# KiCad board HPPSI02.kicad_pcb
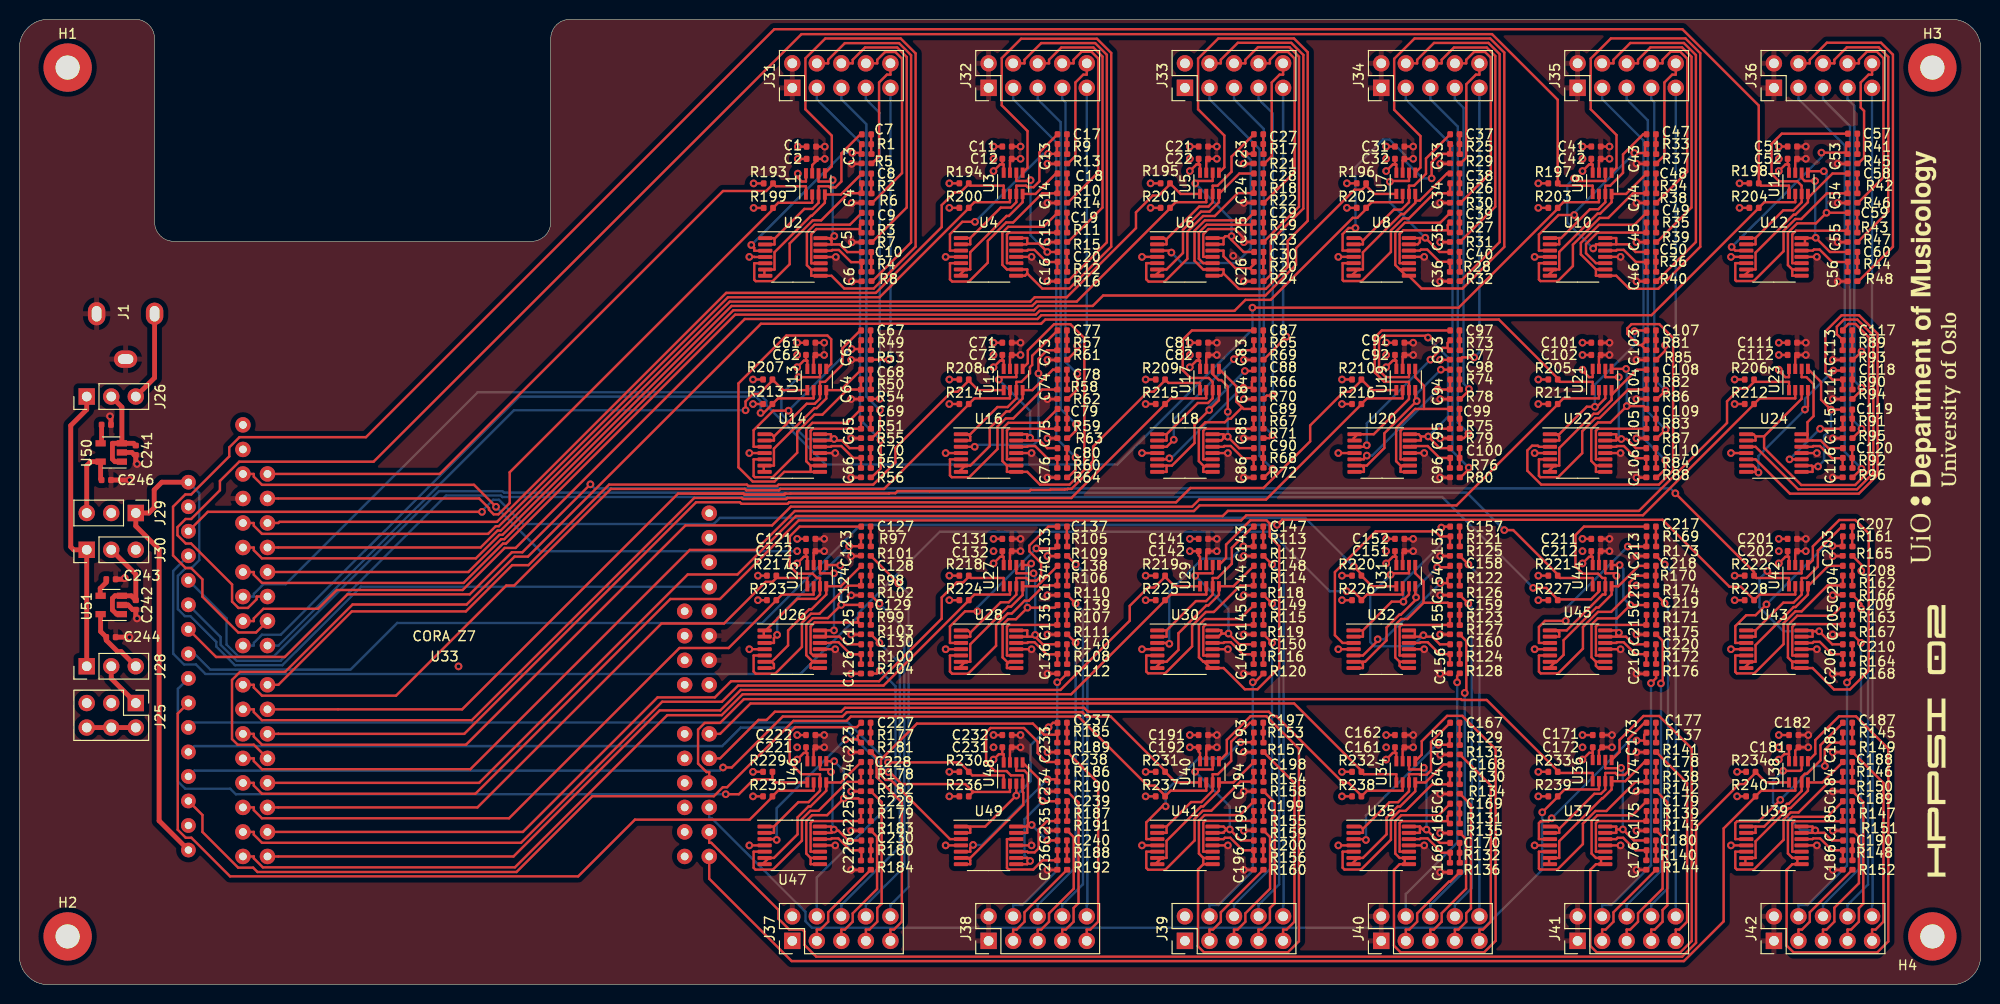
[diagram p0: board, top side]
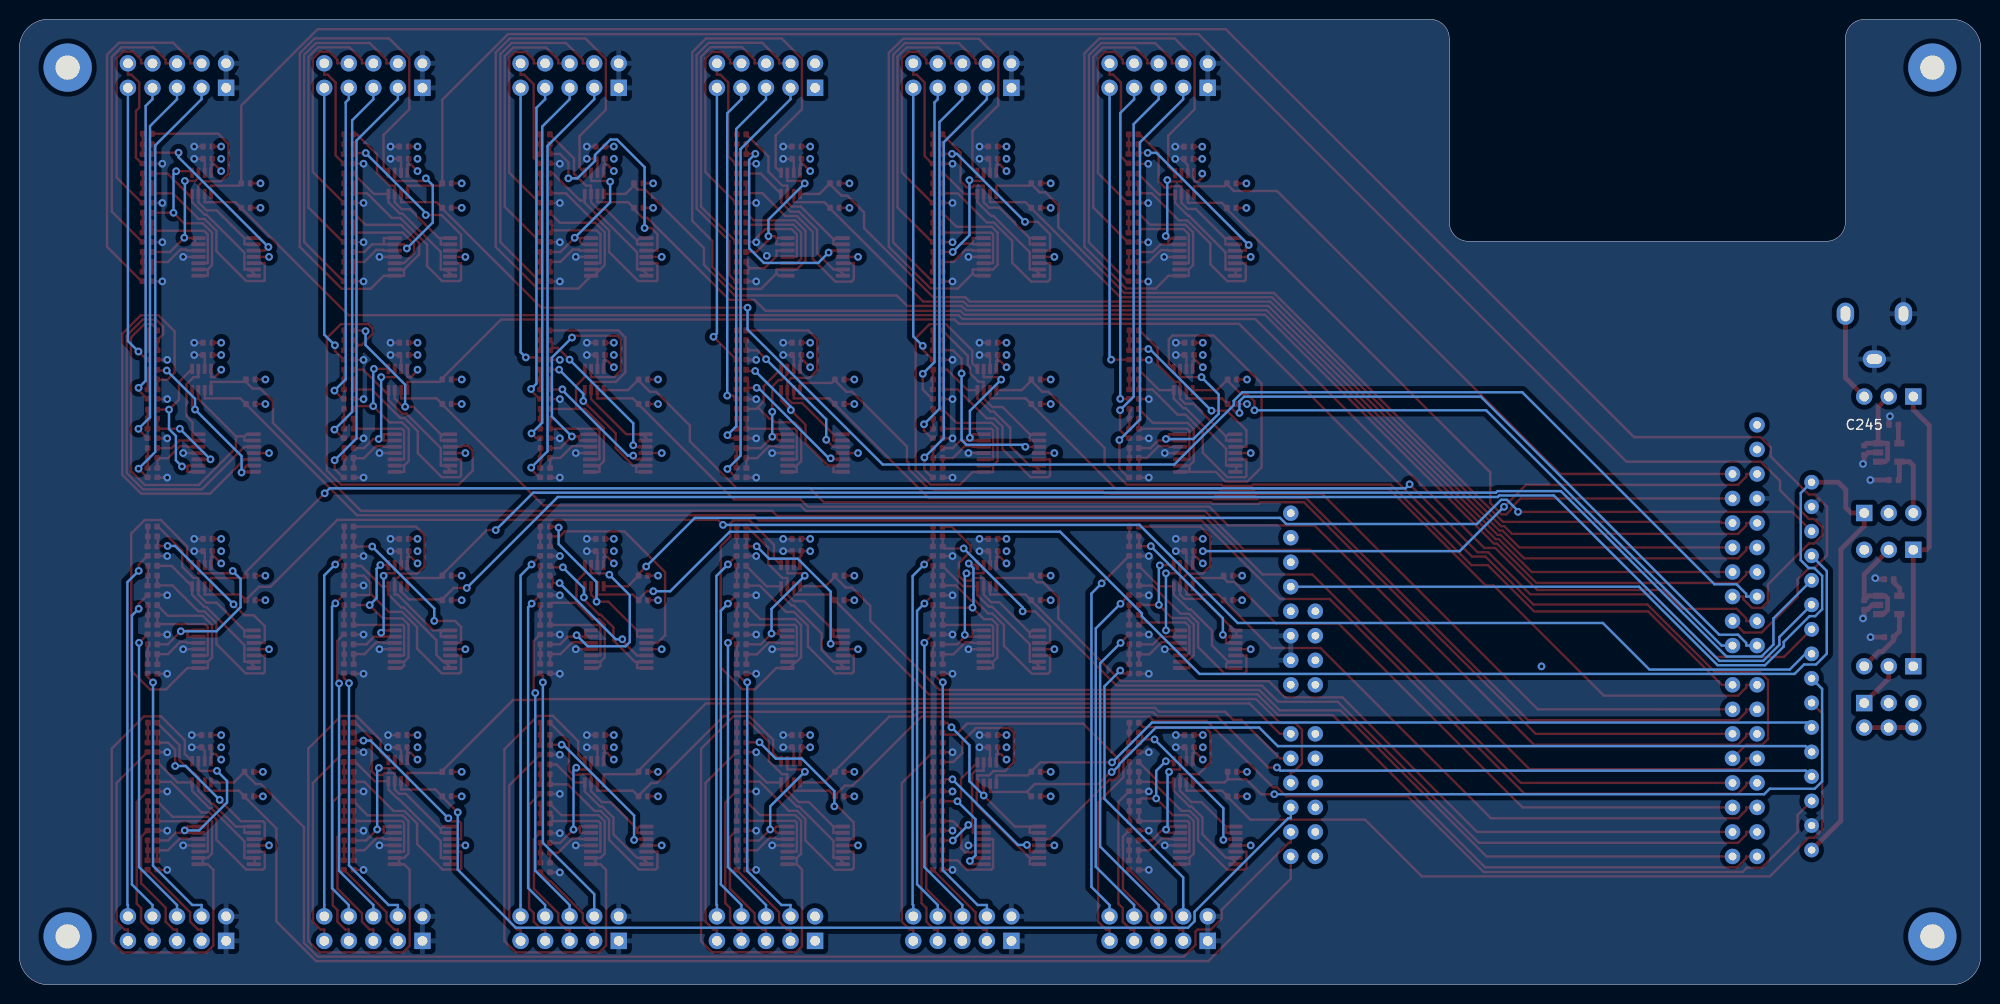
[diagram p1: board, bottom side, seen from below]

Outline 203 x 100 mm; copper layers: Top, In1.Cu (plane), In2.Cu (plane), Bottom. Coordinates in mm from the lower left corner of the outline.
Outline path: 0,97 arc(0.88,99.12) 3,100 12,100 arc(13.41,99.41) 14,98 14,79 arc(14.59,77.59) 16,77 53,77 arc(54.41,77.59) 55,79 55,98 arc(55.59,99.41) 57,100 200,100 arc(202.12,99.12) 203,97 203,3 arc(202.12,0.88) 200,0 3,0 arc(0.88,0.88) 0,3 0,97

## Placement (name value [footprint] x y rotation side)
C1  10uF  [C_0402_1005Metric]  81.97 86.81 0 top
C2  0.1uF  [C_0402_1005Metric]  81.97 85.54 0 top
C3  220pF  [C_0402_1005Metric]  87.18 85.56 270 top
C4  220pF  [C_0402_1005Metric]  87.18 81.5 270 top
C5  220pF  [C_0402_1005Metric]  87.18 77.41 270 top
C6  220pF  [C_0402_1005Metric]  87.18 73.35 270 top
C7  470pF  [C_0402_1005Metric]  87.68 88.08 0 top
C8  470pF  [C_0402_1005Metric]  87.68 84.02 0 top
C9  470pF  [C_0402_1005Metric]  87.68 79.95 0 top
C10  470pF  [C_0402_1005Metric]  87.68 75.89 0 top
C11  10uF  [C_0402_1005Metric]  102.22 86.82 0 top
C12  0.1uF  [C_0402_1005Metric]  102.22 85.55 0 top
C13  220pF  [C_0402_1005Metric]  107.43 85.55 270 top
C14  220pF  [C_0402_1005Metric]  107.43 81.49 270 top
C15  220pF  [C_0402_1005Metric]  107.43 77.42 270 top
C16  220pF  [C_0402_1005Metric]  107.43 73.36 270 top
C17  470pF  [C_0402_1005Metric]  107.94 88.09 0 top
C18  470pF  [C_0402_1005Metric]  107.94 84.03 0 top
C19  470pF  [C_0402_1005Metric]  107.94 79.96 0 top
C20  470pF  [C_0402_1005Metric]  107.94 75.9 0 top
C21  10uF  [C_0402_1005Metric]  122.54 86.82 0 top
C22  0.1uF  [C_0402_1005Metric]  122.54 85.55 0 top
C23  220pF  [C_0402_1005Metric]  127.75 85.55 270 top
C24  220pF  [C_0402_1005Metric]  127.75 81.51 270 top
C25  220pF  [C_0402_1005Metric]  127.75 77.42 270 top
C26  220pF  [C_0402_1005Metric]  127.75 73.36 270 top
C27  470pF  [C_0402_1005Metric]  128.26 88.09 0 top
C28  470pF  [C_0402_1005Metric]  128.26 84.03 0 top
C29  470pF  [C_0402_1005Metric]  128.26 79.96 0 top
C30  470pF  [C_0402_1005Metric]  128.28 75.9 0 top
C31  10uF  [C_0402_1005Metric]  142.87 86.82 0 top
C32  0.1uF  [C_0402_1005Metric]  142.87 85.55 0 top
C33  220pF  [C_0402_1005Metric]  148.07 85.57 270 top
C34  220pF  [C_0402_1005Metric]  148.07 81.49 270 top
C35  220pF  [C_0402_1005Metric]  148.07 77.42 270 top
C36  220pF  [C_0402_1005Metric]  148.07 73.36 270 top
C37  470pF  [C_0402_1005Metric]  148.58 88.09 0 top
C38  470pF  [C_0402_1005Metric]  148.58 84.03 0 top
C39  470pF  [C_0402_1005Metric]  148.58 79.96 0 top
C40  470pF  [C_0402_1005Metric]  148.58 75.9 0 top
C41  10uF  [C_0402_1005Metric]  163.19 86.82 0 top
C42  0.1uF  [C_0402_1005Metric]  163.19 85.55 0 top
C43  220pF  [C_0402_1005Metric]  168.39 85.55 270 top
C44  220pF  [C_0402_1005Metric]  168.39 81.49 270 top
C45  220pF  [C_0402_1005Metric]  168.39 77.42 270 top
C46  220pF  [C_0402_1005Metric]  168.39 73.36 270 top
C47  470pF  [C_0402_1005Metric]  168.9 88.09 0 top
C48  470pF  [C_0402_1005Metric]  168.9 84.03 0 top
C49  470pF  [C_0402_1005Metric]  168.9 79.96 0 top
C50  470pF  [C_0402_1005Metric]  168.9 75.9 0 top
C51  10uF  [C_0402_1005Metric]  183.5 86.82 0 top
C52  0.1uF  [C_0402_1005Metric]  183.5 85.55 0 top
C53  220pF  [C_0402_1005Metric]  189.22 85.55 270 top
C54  220pF  [C_0402_1005Metric]  189.22 81.49 270 top
C55  220pF  [C_0402_1005Metric]  189.22 77.42 270 top
C56  220pF  [C_0402_1005Metric]  189.22 73.36 270 top
C57  470pF  [C_0402_1005Metric]  189.74 88.15 0 top
C58  470pF  [C_0402_1005Metric]  189.73 84.03 0 top
C59  470pF  [C_0402_1005Metric]  189.73 79.96 0 top
C60  470pF  [C_0402_1005Metric]  189.75 75.9 0 top
C61  10uF  [C_0402_1005Metric]  81.91 66.5 0 top
C62  0.1uF  [C_0402_1005Metric]  81.91 65.23 0 top
C63  220pF  [C_0402_1005Metric]  87.11 65.23 270 top
C64  220pF  [C_0402_1005Metric]  87.11 61.17 270 top
C65  220pF  [C_0402_1005Metric]  87.11 57.1 270 top
C66  220pF  [C_0402_1005Metric]  87.11 53.04 270 top
C67  470pF  [C_0402_1005Metric]  87.62 67.77 0 top
C68  470pF  [C_0402_1005Metric]  87.62 63.71 0 top
C69  470pF  [C_0402_1005Metric]  87.62 59.64 0 top
C70  470pF  [C_0402_1005Metric]  87.62 55.58 0 top
C71  10uF  [C_0402_1005Metric]  102.22 66.5 0 top
C72  0.1uF  [C_0402_1005Metric]  102.22 65.23 0 top
C73  220pF  [C_0402_1005Metric]  107.43 65.23 270 top
C74  220pF  [C_0402_1005Metric]  107.43 61.17 270 top
C75  220pF  [C_0402_1005Metric]  107.43 57.1 270 top
C76  220pF  [C_0402_1005Metric]  107.43 53.04 270 top
C77  470pF  [C_0402_1005Metric]  107.94 67.77 0 top
C78  470pF  [C_0402_1005Metric]  107.94 63.71 0 top
C79  470pF  [C_0402_1005Metric]  107.94 59.64 0 top
C80  470pF  [C_0402_1005Metric]  107.94 55.58 0 top
C81  10uF  [C_0402_1005Metric]  122.54 66.5 0 top
C82  0.1uF  [C_0402_1005Metric]  122.54 65.23 0 top
C83  220pF  [C_0402_1005Metric]  127.75 65.23 270 top
C84  220pF  [C_0402_1005Metric]  127.75 61.17 270 top
C85  220pF  [C_0402_1005Metric]  127.75 57.1 270 top
C86  220pF  [C_0402_1005Metric]  127.75 53.04 270 top
C87  470pF  [C_0402_1005Metric]  128.26 67.77 0 top
C88  470pF  [C_0402_1005Metric]  128.26 63.71 0 top
C89  470pF  [C_0402_1005Metric]  128.26 59.64 0 top
C90  470pF  [C_0402_1005Metric]  128.26 55.58 0 top
C91  10uF  [C_0402_1005Metric]  142.87 66.5 0 top
C92  0.1uF  [C_0402_1005Metric]  142.87 65.23 0 top
C93  220pF  [C_0402_1005Metric]  148.07 65.23 270 top
C94  220pF  [C_0402_1005Metric]  148.07 61.17 270 top
C95  220pF  [C_0402_1005Metric]  148.07 57.1 270 top
C96  220pF  [C_0402_1005Metric]  148.07 53.04 270 top
C97  470pF  [C_0402_1005Metric]  148.58 67.77 0 top
C98  470pF  [C_0402_1005Metric]  148.58 63.71 0 top
C99  470pF  [C_0402_1005Metric]  148.58 59.64 0 top
C100  470pF  [C_0402_1005Metric]  148.58 55.58 0 top
C101  10uF  [C_0402_1005Metric]  163.19 66.5 0 top
C102  0.1uF  [C_0402_1005Metric]  163.19 65.23 0 top
C103  220pF  [C_0402_1005Metric]  168.39 65.25 270 top
C104  220pF  [C_0402_1005Metric]  168.39 61.17 270 top
C105  220pF  [C_0402_1005Metric]  168.39 57.1 270 top
C106  220pF  [C_0402_1005Metric]  168.39 53.04 270 top
C107  470pF  [C_0402_1005Metric]  168.9 67.77 0 top
C108  470pF  [C_0402_1005Metric]  168.9 63.71 0 top
C109  470pF  [C_0402_1005Metric]  168.9 59.64 0 top
C110  470pF  [C_0402_1005Metric]  168.88 55.58 0 top
C111  10uF  [C_0402_1005Metric]  183.5 66.5 0 top
C112  0.1uF  [C_0402_1005Metric]  183.5 65.23 0 top
C113  220pF  [C_0402_1005Metric]  188.71 65.23 270 top
C114  220pF  [C_0402_1005Metric]  188.71 61.17 270 top
C115  220pF  [C_0402_1005Metric]  188.71 57.1 270 top
C116  220pF  [C_0402_1005Metric]  188.71 53.04 270 top
C117  470pF  [C_0402_1005Metric]  189.22 67.77 0 top
C118  470pF  [C_0402_1005Metric]  189.22 63.71 0 top
C119  470pF  [C_0402_1005Metric]  189.22 59.57 0 top
C120  470pF  [C_0402_1005Metric]  189.22 55.58 0 top
C121  10uF  [C_0402_1005Metric]  81.91 46.18 0 top
C122  0.1uF  [C_0402_1005Metric]  81.91 44.91 0 top
C123  220pF  [C_0402_1005Metric]  87.11 44.93 270 top
C124  220pF  [C_0402_1005Metric]  87.11 40.85 270 top
C125  220pF  [C_0402_1005Metric]  87.11 36.78 270 top
C126  220pF  [C_0402_1005Metric]  87.11 32.72 270 top
C127  470pF  [C_0402_1005Metric]  87.62 47.45 0 top
C128  470pF  [C_0402_1005Metric]  87.62 43.39 0 top
C129  470pF  [C_0402_1005Metric]  87.62 39.32 0 top
C130  470pF  [C_0402_1005Metric]  87.62 35.26 0 top
C131  10uF  [C_0402_1005Metric]  102.22 46.18 0 top
C132  0.1uF  [C_0402_1005Metric]  102.22 44.91 0 top
C133  220pF  [C_0402_1005Metric]  107.43 44.91 270 top
C134  220pF  [C_0402_1005Metric]  107.43 40.87 270 top
C135  220pF  [C_0402_1005Metric]  107.43 36.78 270 top
C136  220pF  [C_0402_1005Metric]  107.43 32.72 270 top
C137  470pF  [C_0402_1005Metric]  107.94 47.45 0 top
C138  470pF  [C_0402_1005Metric]  107.94 43.39 0 top
C139  470pF  [C_0402_1005Metric]  107.94 39.32 0 top
C140  470pF  [C_0402_1005Metric]  107.94 35.26 0 top
C141  10uF  [C_0402_1005Metric]  122.54 46.18 0 top
C142  0.1uF  [C_0402_1005Metric]  122.54 44.91 0 top
C143  220pF  [C_0402_1005Metric]  127.75 44.91 270 top
C144  220pF  [C_0402_1005Metric]  127.75 40.85 270 top
C145  220pF  [C_0402_1005Metric]  127.75 36.78 270 top
C146  220pF  [C_0402_1005Metric]  127.75 32.72 270 top
C147  470pF  [C_0402_1005Metric]  128.26 47.45 0 top
C148  470pF  [C_0402_1005Metric]  128.26 43.39 0 top
C149  470pF  [C_0402_1005Metric]  128.26 39.32 0 top
C150  470pF  [C_0402_1005Metric]  128.26 35.26 0 top
C151  10uF  [C_0402_1005Metric]  142.87 44.91 0 top
C152  0.1uF  [C_0402_1005Metric]  142.87 46.18 0 top
C153  220pF  [C_0402_1005Metric]  148.07 44.91 270 top
C154  220pF  [C_0402_1005Metric]  148.07 40.85 270 top
C155  220pF  [C_0402_1005Metric]  148.07 36.78 270 top
C156  220pF  [C_0402_1005Metric]  148.07 32.74 270 top
C157  470pF  [C_0402_1005Metric]  148.58 47.45 0 top
C158  470pF  [C_0402_1005Metric]  148.58 43.39 0 top
C159  470pF  [C_0402_1005Metric]  148.58 39.32 0 top
C160  470pF  [C_0402_1005Metric]  148.58 35.26 0 top
C161  10uF  [C_0402_1005Metric]  142.87 24.59 0 top
C162  0.1uF  [C_0402_1005Metric]  142.87 25.86 0 top
C163  220pF  [C_0402_1005Metric]  148.07 24.34 270 top
C164  220pF  [C_0402_1005Metric]  148.07 20.27 270 top
C165  220pF  [C_0402_1005Metric]  148.07 16.21 270 top
C166  220pF  [C_0402_1005Metric]  148.07 12.14 270 top
C167  470pF  [C_0402_1005Metric]  148.58 27.13 0 top
C168  470pF  [C_0402_1005Metric]  148.58 22.81 0 top
C169  470pF  [C_0402_1005Metric]  148.58 18.75 0 top
C170  470pF  [C_0402_1005Metric]  148.58 14.68 0 top
C171  10uF  [C_0402_1005Metric]  163.34 25.86 0 top
C172  0.1uF  [C_0402_1005Metric]  163.34 24.59 0 top
C173  220pF  [C_0402_1005Metric]  168.39 24.59 270 top
C174  220pF  [C_0402_1005Metric]  168.39 20.53 270 top
C175  220pF  [C_0402_1005Metric]  168.39 16.46 270 top
C176  220pF  [C_0402_1005Metric]  168.39 12.4 270 top
C177  470pF  [C_0402_1005Metric]  168.9 27.13 0 top
C178  470pF  [C_0402_1005Metric]  168.92 23.07 0 top
C179  470pF  [C_0402_1005Metric]  168.9 19 0 top
C180  470pF  [C_0402_1005Metric]  168.9 14.94 0 top
C181  10uF  [C_0402_1005Metric]  183.66 24.59 0 top
C182  0.1uF  [C_0402_1005Metric]  183.66 25.86 0 top
C183  220pF  [C_0402_1005Metric]  188.71 24.59 270 top
C184  220pF  [C_0402_1005Metric]  188.71 20.53 270 top
C185  220pF  [C_0402_1005Metric]  188.71 16.46 270 top
C186  220pF  [C_0402_1005Metric]  188.71 12.4 270 top
C187  470pF  [C_0402_1005Metric]  189.22 27.13 0 top
C188  470pF  [C_0402_1005Metric]  189.22 23.07 0 top
C189  470pF  [C_0402_1005Metric]  189.22 19 0 top
C190  470pF  [C_0402_1005Metric]  189.24 14.94 0 top
C191  10uF  [C_0402_1005Metric]  122.54 25.86 0 top
C192  0.1uF  [C_0402_1005Metric]  122.54 24.59 0 top
C193  220pF  [C_0402_1005Metric]  127.75 24.59 270 top
C194  220pF  [C_0402_1005Metric]  127.75 20.55 270 top
C195  220pF  [C_0402_1005Metric]  127.75 16.48 270 top
C196  220pF  [C_0402_1005Metric]  127.75 12.4 270 top
C197  470pF  [C_0402_1005Metric]  128.26 27.13 0 top
C198  470pF  [C_0402_1005Metric]  128.26 23.07 0 top
C199  470pF  [C_0402_1005Metric]  128.26 19 0 top
C200  470pF  [C_0402_1005Metric]  128.26 14.94 0 top
C201  10uF  [C_0402_1005Metric]  183.5 46.18 0 top
C202  0.1uF  [C_0402_1005Metric]  183.5 44.91 0 top
C203  220pF  [C_0402_1005Metric]  188.71 44.91 270 top
C204  220pF  [C_0402_1005Metric]  188.71 40.87 270 top
C205  220pF  [C_0402_1005Metric]  188.71 36.78 270 top
C206  220pF  [C_0402_1005Metric]  188.71 32.69 270 top
C207  470pF  [C_0402_1005Metric]  189.22 47.45 0 top
C208  470pF  [C_0402_1005Metric]  189.22 43.39 0 top
C209  470pF  [C_0402_1005Metric]  189.22 39.32 0 top
C210  470pF  [C_0402_1005Metric]  189.22 35.26 0 top
C211  10uF  [C_0402_1005Metric]  163.19 46.18 0 top
C212  0.1uF  [C_0402_1005Metric]  163.19 44.91 0 top
C213  220pF  [C_0402_1005Metric]  168.39 44.91 270 top
C214  220pF  [C_0402_1005Metric]  168.39 40.85 90 top
C215  220pF  [C_0402_1005Metric]  168.39 36.78 270 top
C216  220pF  [C_0402_1005Metric]  168.39 32.72 270 top
C217  470pF  [C_0402_1005Metric]  168.9 47.45 0 top
C218  470pF  [C_0402_1005Metric]  168.9 43.39 0 top
C219  470pF  [C_0402_1005Metric]  168.9 39.32 0 top
C220  470pF  [C_0402_1005Metric]  168.9 35.26 0 top
C221  10uF  [C_0402_1005Metric]  81.91 24.59 0 top
C222  0.1uF  [C_0402_1005Metric]  81.91 25.86 0 top
C223  220pF  [C_0402_1005Metric]  87.11 24.59 270 top
C224  220pF  [C_0402_1005Metric]  87.11 20.53 270 top
C225  220pF  [C_0402_1005Metric]  87.11 16.46 270 top
C226  220pF  [C_0402_1005Metric]  87.11 12.38 270 top
C227  470pF  [C_0402_1005Metric]  87.62 27.13 0 top
C228  470pF  [C_0402_1005Metric]  87.62 23.07 0 top
C229  470pF  [C_0402_1005Metric]  87.62 19 0 top
C230  470pF  [C_0402_1005Metric]  87.64 14.94 0 top
C231  10uF  [C_0402_1005Metric]  102.22 24.59 0 top
C232  0.1uF  [C_0402_1005Metric]  102.22 25.86 0 top
C233  220pF  [C_0402_1005Metric]  107.43 24.59 270 top
C234  220pF  [C_0402_1005Metric]  107.43 20.55 270 top
C235  220pF  [C_0402_1005Metric]  107.43 16.46 270 top
C236  220pF  [C_0402_1005Metric]  107.43 12.4 270 top
C237  470pF  [C_0402_1005Metric]  107.94 27.13 0 top
C238  470pF  [C_0402_1005Metric]  107.94 23.07 0 top
C239  470pF  [C_0402_1005Metric]  107.96 19 0 top
C240  470pF  [C_0402_1005Metric]  107.94 14.94 0 top
C241  1uF  [C_0402_1005Metric]  12.05 55.36 270 top
C242  1uF  [C_0402_1005Metric]  12.05 39.33 270 top
C243  0.01uF  [C_0402_1005Metric]  9.48 42 0 top
C244  10uF  [C_0402_1005Metric]  9.48 36 0 top
C245  0.01uF  [C_0402_1005Metric]  9 58 0 top
C246  10uF  [C_0402_1005Metric]  9 52.28 0 top
G***  LOGO  [UiO_DoM]  198.3 64.99 90 top
G***#2  LOGO  [HPPSI_02_logo]  198.53 25.3 90 top
H1  MountingHole  [MountingHole_2.5mm_Pad]  5 95 0 top
H2  MountingHole  [MountingHole_2.5mm_Pad]  5 5 0 top
H3  MountingHole  [MountingHole_2.5mm_Pad]  198 95 0 top
H4  MountingHole  [MountingHole_2.5mm_Pad]  198 5 0 top
J1  Barrel_Jack_Switch  [FC681465P]  11 69.5 90 top
J25  Conn_02x03_Odd_Even  [PinHeader_2x03_P2.54mm_Vertical]  12.05 29.17 270 top
J26  Conn_01x03_Male  [PinHeader_1x03_P2.54mm_Vertical]  6.98 60.92 90 top
J28  Conn_01x03_Male  [PinHeader_1x03_P2.54mm_Vertical]  6.98 32.98 90 top
J29  Conn_01x03_Male  [PinHeader_1x03_P2.54mm_Vertical]  12.05 48.86 270 top
J30  Conn_01x03_Male  [PinHeader_1x03_P2.54mm_Vertical]  6.98 45.05 90 top
J31  Conn_02x05_Top_Bottom  [PinHeader_2x05_P2.54mm_Vertical]  80 92.9 90 top
J32  Conn_02x05_Top_Bottom  [PinHeader_2x05_P2.54mm_Vertical]  100.32 92.9 90 top
J33  Conn_02x05_Top_Bottom  [PinHeader_2x05_P2.54mm_Vertical]  120.64 92.9 90 top
J34  Conn_02x05_Top_Bottom  [PinHeader_2x05_P2.54mm_Vertical]  140.96 92.9 90 top
J35  Conn_02x05_Top_Bottom  [PinHeader_2x05_P2.54mm_Vertical]  161.28 92.9 90 top
J36  Conn_02x05_Top_Bottom  [PinHeader_2x05_P2.54mm_Vertical]  181.6 92.9 90 top
J37  Conn_02x05_Top_Bottom  [PinHeader_2x05_P2.54mm_Vertical]  80 4.54 90 top
J38  Conn_02x05_Top_Bottom  [PinHeader_2x05_P2.54mm_Vertical]  100.32 4.54 90 top
J39  Conn_02x05_Top_Bottom  [PinHeader_2x05_P2.54mm_Vertical]  120.64 4.54 90 top
J40  Conn_02x05_Top_Bottom  [PinHeader_2x05_P2.54mm_Vertical]  140.96 4.54 90 top
J41  Conn_02x05_Top_Bottom  [PinHeader_2x05_P2.54mm_Vertical]  161.28 4.54 90 top
J42  Conn_02x05_Top_Bottom  [PinHeader_2x05_P2.54mm_Vertical]  181.6 4.54 90 top
R1  10K  [R_0402_1005Metric]  87.68 87.06 180 top
R2  10K  [R_0402_1005Metric]  87.68 83 180 top
R3  10K  [R_0402_1005Metric]  87.68 78.94 180 top
R4  10K  [R_0402_1005Metric]  87.68 74.87 180 top
R5  10K  [R_0402_1005Metric]  88.19 85.56 90 top
R6  10K  [R_0402_1005Metric]  88.19 81.48 90 top
R7  10K  [R_0402_1005Metric]  88.19 77.41 90 top
R8  10K  [R_0402_1005Metric]  88.19 73.37 90 top
R9  10K  [R_0402_1005Metric]  107.94 87.07 180 top
R10  10K  [R_0402_1005Metric]  107.94 83.01 180 top
R11  10K  [R_0402_1005Metric]  107.94 78.95 180 top
R12  10K  [R_0402_1005Metric]  107.94 74.88 180 top
R13  10K  [R_0402_1005Metric]  108.45 85.55 90 top
R14  10K  [R_0402_1005Metric]  108.45 81.49 90 top
R15  10K  [R_0402_1005Metric]  108.45 77.42 90 top
R16  10K  [R_0402_1005Metric]  108.45 73.36 90 top
R17  10K  [R_0402_1005Metric]  128.26 87.07 180 top
R18  10K  [R_0402_1005Metric]  128.26 83.01 180 top
R19  10K  [R_0402_1005Metric]  128.26 78.95 180 top
R20  10K  [R_0402_1005Metric]  128.26 74.88 180 top
R21  10K  [R_0402_1005Metric]  128.77 85.55 90 top
R22  10K  [R_0402_1005Metric]  128.77 81.49 90 top
R23  10K  [R_0402_1005Metric]  128.77 77.42 90 top
R24  10K  [R_0402_1005Metric]  128.77 73.36 90 top
R25  10K  [R_0402_1005Metric]  148.58 87.07 180 top
R26  10K  [R_0402_1005Metric]  148.58 83.01 180 top
R27  10K  [R_0402_1005Metric]  148.58 78.95 180 top
R28  10K  [R_0402_1005Metric]  148.58 74.88 180 top
R29  10K  [R_0402_1005Metric]  149.09 85.55 90 top
R30  10K  [R_0402_1005Metric]  149.09 81.49 90 top
R31  10K  [R_0402_1005Metric]  149.09 77.44 90 top
R32  10K  [R_0402_1005Metric]  149.09 73.36 90 top
R33  10K  [R_0402_1005Metric]  168.9 87.07 180 top
R34  10K  [R_0402_1005Metric]  168.9 83.01 180 top
R35  10K  [R_0402_1005Metric]  168.9 78.95 180 top
R36  10K  [R_0402_1005Metric]  168.9 74.88 180 top
R37  10K  [R_0402_1005Metric]  169.41 85.55 90 top
R38  10K  [R_0402_1005Metric]  169.41 81.49 90 top
R39  10K  [R_0402_1005Metric]  169.41 77.42 90 top
R40  10K  [R_0402_1005Metric]  169.41 73.36 90 top
R41  10K  [R_0402_1005Metric]  189.74 87.05 180 top
R42  10K  [R_0402_1005Metric]  189.73 83.01 180 top
R43  10K  [R_0402_1005Metric]  189.73 78.95 180 top
R44  10K  [R_0402_1005Metric]  189.73 74.88 180 top
R45  10K  [R_0402_1005Metric]  190.24 85.55 90 top
R46  10K  [R_0402_1005Metric]  190.24 81.49 90 top
R47  10K  [R_0402_1005Metric]  190.24 77.42 90 top
R48  10K  [R_0402_1005Metric]  190.24 73.36 90 top
R49  10K  [R_0402_1005Metric]  87.62 66.75 180 top
R50  10K  [R_0402_1005Metric]  87.62 62.69 180 top
R51  10K  [R_0402_1005Metric]  87.62 58.63 180 top
R52  10K  [R_0402_1005Metric]  87.62 54.56 180 top
R53  10K  [R_0402_1005Metric]  88.13 65.23 90 top
R54  10K  [R_0402_1005Metric]  88.13 61.17 90 top
R55  10K  [R_0402_1005Metric]  88.13 57.1 90 top
R56  10K  [R_0402_1005Metric]  88.13 53.04 90 top
R57  10K  [R_0402_1005Metric]  107.94 66.75 180 top
R58  10K  [R_0402_1005Metric]  107.94 62.69 180 top
R59  10K  [R_0402_1005Metric]  107.94 58.63 180 top
R60  10K  [R_0402_1005Metric]  107.94 54.56 180 top
R61  10K  [R_0402_1005Metric]  108.45 65.23 90 top
R62  10K  [R_0402_1005Metric]  108.45 61.17 90 top
R63  10K  [R_0402_1005Metric]  108.45 57.1 90 top
R64  10K  [R_0402_1005Metric]  108.45 53.04 90 top
R65  10K  [R_0402_1005Metric]  128.26 66.75 180 top
R66  10K  [R_0402_1005Metric]  128.26 62.69 180 top
R67  10K  [R_0402_1005Metric]  128.26 58.63 180 top
R68  10K  [R_0402_1005Metric]  128.26 54.56 180 top
R69  10K  [R_0402_1005Metric]  128.77 65.23 90 top
R70  10K  [R_0402_1005Metric]  128.77 61.17 90 top
R71  10K  [R_0402_1005Metric]  128.77 57.1 90 top
R72  10K  [R_0402_1005Metric]  128.77 53.06 90 top
R73  10K  [R_0402_1005Metric]  148.58 66.75 180 top
R74  10K  [R_0402_1005Metric]  148.58 62.69 180 top
R75  10K  [R_0402_1005Metric]  148.58 58.63 180 top
R76  10K  [R_0402_1005Metric]  148.58 54.56 180 top
R77  10K  [R_0402_1005Metric]  149.09 65.23 90 top
R78  10K  [R_0402_1005Metric]  149.09 61.17 90 top
R79  10K  [R_0402_1005Metric]  149.09 57.1 90 top
R80  10K  [R_0402_1005Metric]  149.09 53.04 90 top
R81  10K  [R_0402_1005Metric]  168.9 66.75 180 top
R82  10K  [R_0402_1005Metric]  168.9 62.69 180 top
R83  10K  [R_0402_1005Metric]  168.9 58.63 180 top
R84  10K  [R_0402_1005Metric]  168.9 54.56 180 top
R85  10K  [R_0402_1005Metric]  169.41 65.23 90 top
R86  10K  [R_0402_1005Metric]  169.41 61.17 90 top
R87  10K  [R_0402_1005Metric]  169.41 57.1 90 top
R88  10K  [R_0402_1005Metric]  169.41 53.04 90 top
R89  10K  [R_0402_1005Metric]  189.22 66.75 180 top
R90  10K  [R_0402_1005Metric]  189.22 62.69 180 top
R91  10K  [R_0402_1005Metric]  189.22 58.63 180 top
R92  10K  [R_0402_1005Metric]  189.22 54.56 180 top
R93  10K  [R_0402_1005Metric]  189.73 65.23 90 top
R94  10K  [R_0402_1005Metric]  189.73 61.17 90 top
R95  10K  [R_0402_1005Metric]  189.73 57.1 90 top
R96  10K  [R_0402_1005Metric]  189.73 53.04 90 top
R97  10K  [R_0402_1005Metric]  87.62 46.43 180 top
R98  10K  [R_0402_1005Metric]  87.62 42.37 180 top
R99  10K  [R_0402_1005Metric]  87.62 38.31 180 top
R100  10K  [R_0402_1005Metric]  87.62 34.24 180 top
R101  10K  [R_0402_1005Metric]  88.13 44.91 90 top
R102  10K  [R_0402_1005Metric]  88.13 40.85 90 top
R103  10K  [R_0402_1005Metric]  88.13 36.78 90 top
R104  10K  [R_0402_1005Metric]  88.13 32.72 90 top
R105  10K  [R_0402_1005Metric]  107.94 46.43 180 top
R106  10K  [R_0402_1005Metric]  107.94 42.37 180 top
R107  10K  [R_0402_1005Metric]  107.92 38.31 180 top
R108  10K  [R_0402_1005Metric]  107.94 34.24 180 top
R109  10K  [R_0402_1005Metric]  108.45 44.91 90 top
R110  10K  [R_0402_1005Metric]  108.45 40.85 90 top
R111  10K  [R_0402_1005Metric]  108.45 36.78 90 top
R112  10K  [R_0402_1005Metric]  108.45 32.72 90 top
R113  10K  [R_0402_1005Metric]  128.26 46.43 180 top
R114  10K  [R_0402_1005Metric]  128.24 42.37 180 top
R115  10K  [R_0402_1005Metric]  128.26 38.31 180 top
R116  10K  [R_0402_1005Metric]  128.26 34.24 180 top